# Altium PCB unisat_gs_board.PcbDoc (part 2 of 2)
Units mm, origin at the board's own origin, x right, y up, seen from the top; angles counter-clockwise.
Board outline 53 x 99.74 mm, 2 copper layers (Top Layer, Bottom), stack 0.98 mm thick; 108 components, 82 nets, 459 pads, 498 vias.
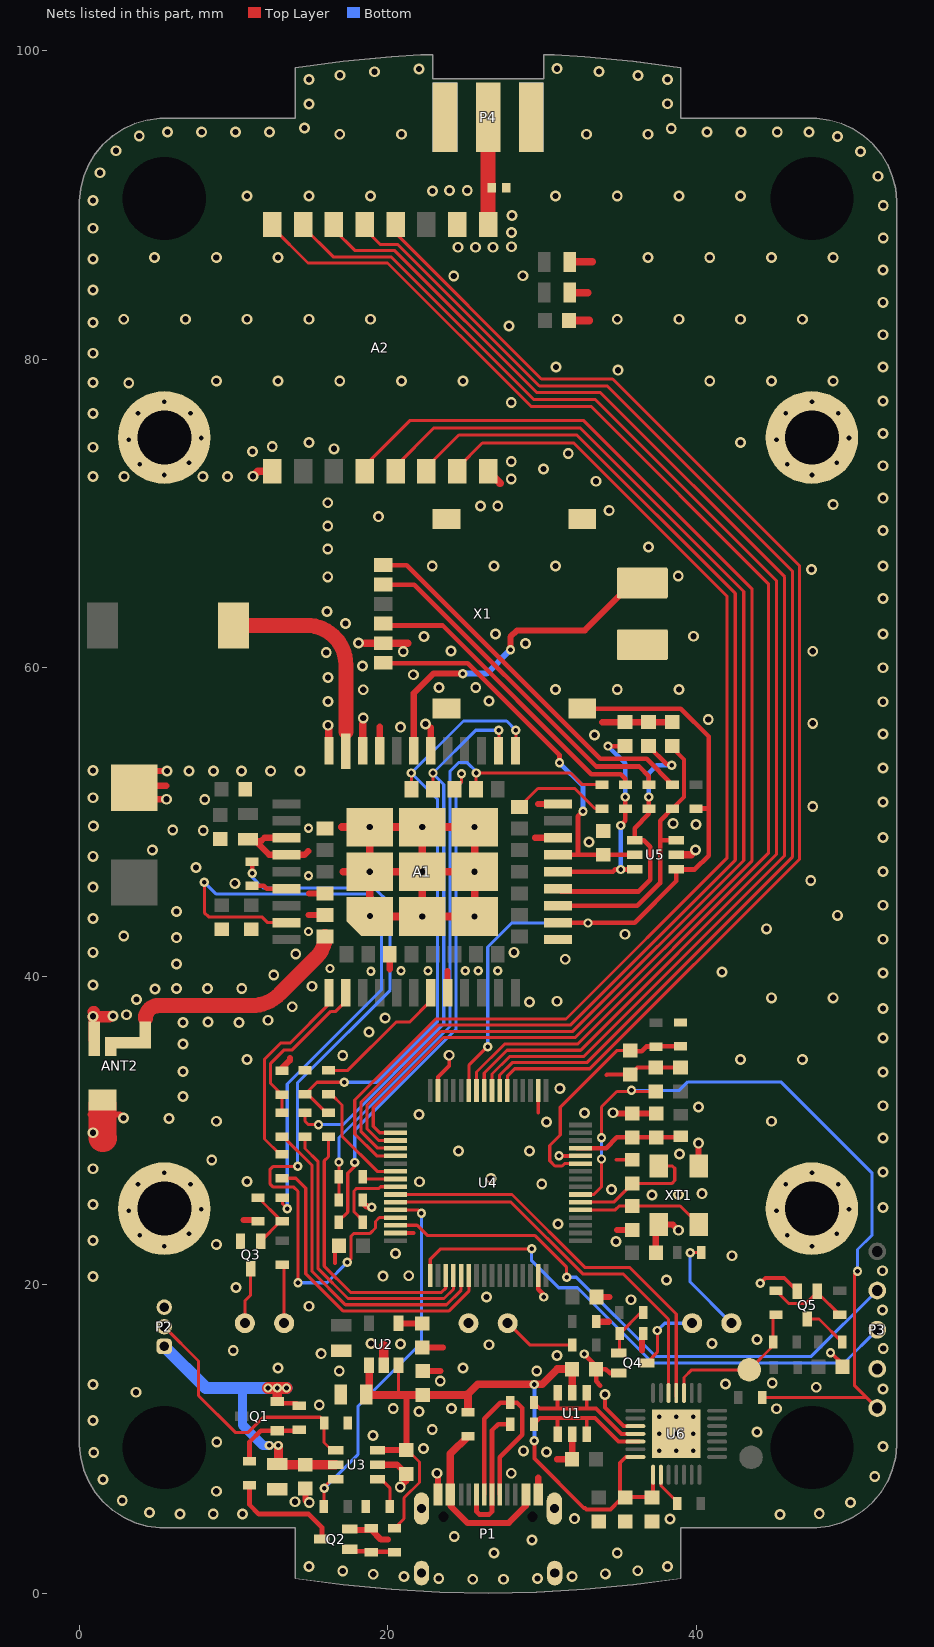
[diagram p2: the nets of this part, all layers, seen from the top]

## Via types
v1: diameter 0.705, hole 0.4, Top Layer to Bottom, tented both sides, 361 vias
v2: diameter 0.605, hole 0.3, Top Layer to Bottom, tented both sides, 119 vias
v3: diameter 0.705, hole 0.4, Top Layer to Bottom, 9 vias
v4: diameter 0.605, hole 0.3, Top Layer to Bottom, 9 vias

## Nets (pads, with @x,y where several pads share a name; then routed paths per layer and width w, separated by ;. In a path a pad name is that pad's centre, name@x,y a point inside that pad or via, vN(x,y) a via of type N, cw(c..) or ccw(c..) an arc to the next point about the centre after c; other vN are vias at no path point) (continued)
GND: A1.8 A1.13 A1.19 A1.21 A1.27 A1.30 A1.31 A1.33 A1.36 A1.37 A1.45 A1.63 A1.66 A1.67 A1.PAD A2.2 A2.9 A2.16 ANT2.2 BAT1.2 C1.2 C2.1 C3.1 C4.2 C5.2 C6.2 C7.1 C8.2 C9.2 C10.1 C11.1 C12.1 C13.2 C14.1 C15.1 C16.1 C17.1 C18.1 C19.1 C20.1 C21.1 C22.1 C23.1 C24.1 C25.2 C26.2 C27.2 C28.1 C29.1 C30.1 C31.1 C32.1 C33.1 C34.1 C35.1 C36.1 D3.1 D4.1 P1.A1 P1.A12 P1.SH1 P1.SH2 P1.SH3 P1.SH4 P2.3 P3.2 P4.1 pad.1@5.5,24.934 pad.1@5.5,74.934 pad.1@47.5,24.934 pad.1@47.5,74.934 Q2.2 Q3.2 Q4.2 Q5.2 R5.1 R6.1 R10.1 R16.1 R17.1 R18.1 R19.1 R25.1 R28.1 R32.1 U1.2 U2.2 U3.5 U4.12 U4.18 U4.31 U4.47 U4.63 U5.2 U6.3 U6.29 X1.C5 X1.S1 X1.S2 X1.S3 XT1.2 XT1.4 | length 147
  Top Layer w0.25: R25.1@13.125,33.875 R25.1@13.125,34.025 ; 16.575,21.4 16.575,22.275 C17.1@16.825,22.525 ; U4.47@20.75,23.35 21.65,23.35 ; U4.31@23.25,32.35 U4.31@23.25,32.6 23.25,33.46 23.975,34.185 v1(23.975,34.875) ; 23.4,14.4 23.425,14.375 ; 29.75,31.175 U4.18@29.75,32.35 ; v2(31.1,28.35) U4.12@32.5,28.35 ; v1(34.075,12.875) 34.075,12.036 35.286,10.825 U6.3@36.05,10.825 U6.3@36.3,10.825 ; 34.175,33.6 34.2,33.625 C21.1@35.725,33.625 36.175,34.075 C24.1@37.375,34.075 C15.1@38.975,34.075 ; 34.825,28.1 C22.1@35.85,28.1 ; v2(44.15,20.1) 44.475,20.425 45.7,20.425 Q5.2@46.55,19.575 ; v2(48.702,15.576) 48.749,15.576 49.475,14.85 C32.1@49.475,14.675
  Top Layer w0.3: U4.63@29.75,20.85 U4.63@29.75,20.6 29.75,19.705 30.1,19.355 v2(30.1,19.2) ; v2(32.725,15.5) 33.5,14.725 C1.2@33.5,14.525 ; 33.775,13.45 33.5,13.725 C1.2@33.5,14.525 ; Q4.2@34.975,14.275 34.375,14.275 34.125,14.525 C1.2@33.5,14.525
  Top Layer w0.4: 0.725,31.025 1.495,31.025 v1@2.625,31.025 ; 5.625,52.35 C8.2@3.675,52.35 ; v1(5.65,51.475) 4.3,51.475 C8.2@3.55,52.225 C8.2@3.675,52.35 ; v1(5.675,53.3) 4.625,53.3 C8.2@3.675,52.35 ; 10.65,24.2 R16.1@11.575,24.2 ; C9.2@10.925,48.775 C9.2@11.4,48.775 ; R25.1@13.125,34.025 13.65,34.55 13.65,34.7 ; A1.36@13.425,48.975 12,48.975 11.8,48.775 C9.2@11.4,48.775 ; C12.1@14.65,6.775 14.65,6.125 ccw(c14.9,6.125) v1(14.9,5.875) ; 14.838,48.1 14.825,48.1 14.6,47.875 A1.37@13.425,47.875 12.3,47.875 C9.2@11.4,48.775 ; 14.85,43.975 A1.67@15.925,43.975 ; 14.9,45.375 A1.66@15.925,45.375 ; Q2.2@17.525,4.15 17.575,4.1 R10.1@18.925,4.1 ; R28.1@18.425,25.55 ccw(c18.425,25.5) R28.1@18.375,25.5 ccw(c18.85,25.5) 18.85,25.025 v2(18.95,25.025) ; R10.1@18.925,4.2 R10.1@18.925,4.1 ; U3.5@19.325,8.325 20.6,8.325 C14.1@21.2,7.725 21.2,7.275 v1(20.8,6.875) ; A1.30@19.475,54.625 19.475,56.175 ; 20,3.475 19.55,3.475 R10.1@18.925,4.1 ; 20.125,40.45 A1.45@20.125,41.425 ; C7.1@22.225,15.925 23.575,15.925 ; C5.2@22.25,14.4 23.4,14.4 ; A1.27@22.775,54.625 22.775,56.125 ; v1(23.175,7.775) 23.25,7.7 P1.A1@23.25,6.395 ; A1.8@23.875,38.925 23.875,40.325 ; 29.55,48.975 A1.19@31.025,48.975 ; P1.A12@29.75,6.395 29.75,7.475 ; 29.75,51.175 A1.21@31.025,51.175 ; 30.975,8.675 C34.1@31.95,8.675 U1.2@31.95,10.3 ; R19.1@33.5,17.6 34.325,17.6 ; C16.1@33.525,19.2 34.35,19.2 ; 33.9,56.475 C30.1@35.375,56.475 C29.1@36.9,56.475 C28.1@38.45,56.475 ; v1(34.6,31.15) 34.65,31.1 C20.1@35.85,31.1 C19.1@37.4,31.1 ; 34.85,23.55 C23.1@35.85,23.55 ; 36.475,15.75 R17.1@36.475,16.825 ; C18.1@37.375,22.075 37.375,23.725 XT1.2@37.55,23.9 38.475,23.9 v1(38.85,23.525) ; XT1.4@40.15,27.7 v1(40.15,29.175)
  Top Layer w0.5: v1(11.25,72.425) 11.575,72.75 A2.9@12.5,72.75 ; v1(16.125,56.275) 16.175,56.225 A1.33@16.175,54.625 ; 17.025,49.675 v3(18.825,49.675) ; 17.1,46.775 v3(18.825,46.775) ; A1.31@18.375,54.625 18.375,56.35 ; 18.495,61.595 X1.C5@19.7,61.595 21.295,61.595 ; A2.16@26.5,72.75 27.275,71.975 ; C26.2@31.75,82.525 33.05,82.525 ; C27.2@31.9,84.325 32.95,84.325 ; C25.2@31.9,86.325 33.25,86.325 ; U5.2@38.7,47.875 39.675,47.875 ; v3(18.825,46.775) v3(22.225,46.775) ; v3(18.825,46.775) A1.PAD@18.825,44.34 A1.PAD@19.29,43.875 v3(22.225,43.875) ; v3(18.825,46.775) v3(18.825,49.675) ; v3(18.825,49.675) v3(22.225,49.675) ; v3(22.225,43.875) v3(22.225,46.775) ; v3(22.225,43.875) v3(25.625,43.875) A1.PAD@25.625,46.85 ; v3(22.225,46.775) v3(22.225,49.675) ; v3(22.225,46.775) 25.55,46.775 A1.PAD@25.625,46.85 ; v3(22.225,49.675) v3(25.625,49.675) A1.PAD@25.625,46.85
  Top Layer w0.6: U2.2@19.73,14.785 19.73,16.045
  Top Layer w0.75: v1@0.9,37.375 v1@0.965,37.375 ; v1@0.9,37.7 cw(c0.9,37.635) 0.965,37.635 v1@0.965,37.375 ; ANT2.2@0.965,35.875 v1@0.965,37.375 ; v1@1.95,37.375 v1@0.965,37.375
  Top Layer w1.8: ANT2.2@1.495,31.675 1.495,31.025 1.495,29.53 ccw(c1.525,29.53) 1.525,29.5
  other v1: 25.5,0.9 27.5,0.9 23.3,0.95 29.7,0.95 21.05,1.075 31.95,1.075 19.05,1.225 34.1,1.25 17.075,1.425 36.2,1.45 14.875,1.725 38.125,1.725 26.875,2.6 34.875,2.6 29.35,3.45 24.3,3.675 38.3,4.8 32.1,4.825 45.425,5.1 6.525,5.125 8.675,5.125 10.575,5.125 47.975,5.15 4.55,5.225 50,5.875 13.975,5.925 2.775,6 8.875,6.6 1.525,7.375 51.575,7.55 28,7.775 0.925,9.125 30.275,9.15 28.8,9.225 22.3,9.375 52.1,9.5 8.9,9.8 19.025,10.225 43.925,10.45 22.875,10.6 0.875,11.2 22.025,11.775 45.2,11.95 20.35,11.975 24.125,11.975 15.55,12.2 3.675,13.025 52.1,13.225 47.775,13.35 0.875,13.531 41.9,13.55 44.925,13.625 23.4,13.75 16.85,14.4 29.65,14.4 12.875,14.6 24.875,14.6 30.975,15.4 15.675,15.525 9.975,15.725 52.125,15.85 26.55,16.1 20.825,16.15 18.9,16.175 41.025,16.175 43.925,16.45 52.075,18.35 14.875,18.6 35.775,19.025 26.4,19.2 10.15,19.825 38.075,20.3 0.875,20.525 19.675,20.55 21.35,20.575 52.075,20.9 42.325,21.875 20.5,22.025 8.875,22.6 34.8,22.8 0.875,22.856 31.025,23.925 52.1,25 0.875,25.188 37.125,25.825 38.85,25.85 40.375,25.9 34.5,26.175 29.975,26.525 22.05,26.675 10.875,26.7 26.675,26.875 52.1,27.3 0.875,27.519 8.575,28.075 38.9,28.475 24.575,28.675 29.175,28.675 52.1,29.5 0.875,29.85 30.275,30.55 8.875,30.6 44.875,30.6 5.8,30.775 2.85,30.8 22.025,31.025 32.75,31.125 40.15,31.525 52.1,31.6 6.725,32.2 31.15,32.725 52.1,33.8 6.725,33.825 10.875,34.6 42.875,34.6 46.875,34.6 17.075,34.85 6.725,35.6 52.1,36 18.775,36.375 6.725,37 10.35,37 8.325,37.025 12.225,37.15 19.825,37.3 0.875,37.4 2.175,37.425 3.05,37.5 52.1,37.9 13.8,38.025 29.175,38.325 30.975,38.375 3.7,38.5 44.875,38.6 48.875,38.6 4.9,39.175 6.3,39.2 8.3,39.2 10.525,39.2 15.075,39.35 0.875,39.425 12.6,40.075 52.1,40.2 41.675,40.275 6.3,40.8 31.5,41.1 14.025,41.45 0.875,41.55 28.175,41.55 52.1,42.4 6.3,42.5 2.875,42.6 35.375,42.725 44.55,43.075 0.875,43.75 49.15,43.95 6.3,44.2 52.1,44.6 0.875,45.775 10.075,46.025 47.425,46.2 52.1,46.8 7.55,47.05 0.875,47.775 4.725,48.175 39.95,48.175 33.05,48.7 52.1,49 8.025,49.45 6.05,49.475 0.9,49.75 39.975,49.85 38.5,49.9 47.55,51 52.1,51.3 8.125,51.45 0.875,51.575 7.1,53.3 8.7,53.3 10.5,53.3 12.4,53.3 14.3,53.3 0.875,53.35 52.1,53.5 33.4,55.65 52.1,55.7 20.825,56.15 22.45,56.35 47.55,56.4 40.775,56.65 18.4,56.75 52.1,57.8 16.125,57.825 26.55,57.85 18.4,58.575 30.875,58.6 34.875,58.6 38.875,58.6 23.325,58.725 25.7,58.725 16.125,59.375 21.65,59.55 52.1,60 18.35,60.125 16,61 21,61.05 47.55,61.075 24.1,61.1 28.925,61.575 18.1,61.6 22.35,62.025 39.825,62.05 26.975,62.2 52.1,62.2 17.25,62.875 16.05,63.65 52.1,64.5 16.1,65.9 38.825,65.95 47.475,66.375 22.875,66.6 26.875,66.6 30.875,66.6 52.1,66.6 16.1,67.7 36.9,67.825 52.1,68.9 16.1,69.2 19.4,69.8 34.35,70.2 26,70.5 27.125,70.5 48.875,70.6 16.1,70.7 52.1,71 33.5,72.1 28,72.25 0.875,72.4 2.9,72.4 8,72.4 9.6,72.4 30.1,72.9 52.1,73.1 28,73.375 31.7,73.9 11.225,74.025 16.5,74.2 0.875,74.3 12.5,74.35 14.875,74.6 42.875,74.6 52.1,75.2 0.875,76.5 28,77.2 52.1,77.3 3.2,78.475 0.875,78.5 8.875,78.6 12.875,78.6 16.875,78.6 20.875,78.6 24.875,78.6 40.875,78.6 44.875,78.6 48.875,78.6 34.925,79.3 30.9,79.5 52.1,79.5 0.875,80.4 52.1,81.6 27.85,82.175 0.875,82.4 2.875,82.6 6.875,82.6 10.875,82.6 14.875,82.6 18.875,82.6 34.875,82.6 38.875,82.6 42.875,82.6 46.875,82.6 52.1,83.7 0.875,84.5 24.275,85.4 28.75,85.425 52.1,85.8 0.875,86.5 4.875,86.6 8.875,86.6 12.875,86.6 36.875,86.6 40.875,86.6 44.875,86.6 48.875,86.6 24.55,87.275 25.675,87.275 26.825,87.275 28.025,87.3 52.125,87.875 28.025,88.225 0.875,88.5 28.05,89.325 52.125,89.975 0.875,90.3 10.875,90.6 14.875,90.6 18.875,90.6 30.875,90.6 34.875,90.6 38.875,90.6 42.875,90.6 22.9,90.925 24,90.95 25.15,90.95 51.775,91.875 1.325,92.1 50.65,93.475 2.375,93.525 3.875,94.475 49.15,94.45 16.875,94.6 20.875,94.6 32.875,94.6 36.875,94.6 5.7,94.75 7.925,94.75 10.125,94.75 12.325,94.75 40.7,94.75 42.9,94.75 45.25,94.75 47.3,94.75 38.375,94.975 14.6,95 14.875,96.55 38.125,96.575 14.875,98.15 38.125,98.15 36.225,98.4 16.9,98.425 19.125,98.65 33.7,98.675 22.025,98.825 30.975,98.85
  other v2: 5.5,22.5 47.5,22.5 3.9,23.2 45.9,23.2 7.1,23.3 49.1,23.3 3.2,24.8 45.2,24.8 7.9,24.9 49.9,24.9 3.8,26.5 7.2,26.5 45.8,26.5 49.2,26.5 5.5,27.25 47.5,27.25 18.9,40.325 20.85,40.35 22.601,40.352 25.025,40.35 25.85,40.35 27.125,40.35 16.25,40.5 14.85,42.9 14.85,46.525 14.85,49.6 5.5,72.5 47.5,72.5 3.9,73.2 45.9,73.2 7.1,73.3 49.1,73.3 3.2,74.8 45.2,74.8 7.9,74.9 49.9,74.9 3.8,76.5 7.2,76.5 45.8,76.5 49.2,76.5 5.5,77.25 47.5,77.25
  other v3: 18.85,43.9 25.625,46.775
  other v4: 37.6,9.225 38.7,9.225 39.8,9.225 37.6,10.325 38.7,10.325 39.8,10.325 37.6,11.425 38.7,11.425 39.8,11.425
GPS_1PPS: A1.60 R29.2 | length 33.6
  Top Layer w0.2: R29.2@16.825,24.05 16.825,24.125 17.4,24.7 17.4,27.225 17.851,27.676 v2(17.851,27.926) ; A1.60@24.325,52.125 24.776,52.576 v2(24.776,53.128)
  Bottom w0.2: v2(17.851,27.926) 17.851,30.004 24.425,36.578 24.425,40.098 24.422,40.1 24.422,52.22 24.776,52.574 v2(24.776,53.128)
GPS_PEN: A1.59 R26.2 R27.1 R28.2 | length 42.6
  Top Layer w0.2: R28.2@16.825,25.5 R26.2@16.825,27 v2(16.825,27.95) ; A1.59@25.725,52.125 v2(25.725,53.175) 31.85,53.175 32.6,52.425 R27.1@33.875,52.425
  Bottom w0.2: v2(16.825,27.95) 16.825,29.544 24.025,36.744 24.025,39.932 24.022,39.935 24.022,52.386 24.025,52.388 24.025,53.3 24.575,53.85 25.15,53.85 25.725,53.275 v2(25.725,53.175)
GPS_RXD: A1.22 A1.62 R31.2 R32.2 | length 40.2
  Top Layer w0.2: R31.2@16.15,31.15 16,31.15 14.8,32.35 R32.2@14.625,32.35 15.4,33.125 v2(17.175,33.125) ; A1.62@21.525,52.125 v2(21.525,53.175) ; A1.22@28.275,54.625 28.3,54.65 v2(28.3,55.95)
  Bottom w0.2: v2(17.175,33.125) 19.275,33.125 23.225,37.075 23.225,39.601 23.223,39.603 23.223,51.477 v2(21.525,53.175) 24.903,56.553 27.697,56.553 v2(28.3,55.95)
GPS_TXD: A1.23 A1.61 R30.2 | length 36.7
  Top Layer w0.2: R30.2@14.625,31.15 14.625,30.601 14.85,30.376 v2(15.501,30.376) ; A1.61@22.925,52.125 v2(22.925,53.176) ; A1.23@27.175,54.625 27.2,54.65 v2(27.2,55.95)
  Bottom w0.2: v2(15.501,30.376) 17.092,30.376 23.625,36.909 23.625,39.767 23.623,39.769 23.623,52.427 22.925,53.125 v2(22.925,53.176) 25.699,55.95 v2(27.2,55.95)
GSM_NTL: A1.41 R14.2 | length 42.7
  Top Layer w0.2: v2(8.1,46.1) 8.1,44.125 8.375,43.85 11.828,43.85 12.203,43.475 A1.41@13.425,43.475 ; R14.2@13.15,25.65 13.163,25.637 13.163,25.238 v2(13.475,24.925)
  Bottom w0.2: v2(8.1,46.1) 8.875,45.325 18.8,45.325 19.575,44.55 19.575,39.108 13.475,33.008 v2(13.475,24.925)
GSM_RI: A1.7 R21.2 | length 9.3
  Top Layer w0.2: R21.2@15.875,33.9 R21.2@16.15,33.9 17.398,33.9 20.523,37.025 21.399,37.025 22.775,38.401 A1.7@22.775,38.925
GSM_RXD: A1.2 R23.2 R25.2 | length 10.6
  Top Layer w0.2: R23.2@13.125,31.15 R25.2@13.125,32.325 12.55,32.9 12.4,33.05 12.4,34.35 13.275,35.225 13.8,35.225 16.3,37.725 16.625,37.725 17.275,38.375 A1.2@17.275,38.925
GSM_TXD: A1.1 R22.2 | length 13.1
  Top Layer w0.2: R22.2@13.125,28.45 13,28.45 12,29.45 12,34.625 13.05,35.675 13.675,35.675 16.175,38.175 A1.1@16.175,38.925
NetA1_32: A1.32 ANT1.1 | length 13.1
  Top Layer w0.98: ANT1.1@10,62.75 14.735,62.75 cw(c14.735,60.21) 17.275,60.21 17.275,55.85
NetA1_57: A1.57 R27.2 | length 6.4
  Top Layer w0.2: A1.57@28.525,50.975 29.725,52.175 32.125,52.175 33.425,50.875 R27.2@33.875,50.875
NetA1_68: A1.68 ANT2.1 | length 14.3
  Top Layer w0.98: 4.275,37.25 cw(c5.125,37.25) 5.125,38.1 11.173,38.1 ccw(c11.173,40.64) 12.969,38.844 15.377,41.252 ccw(c14.054,42.575) A1.68@15.925,42.575
NetA2_1: A2.1 D4.2 P4.2 | length 7.3
  Top Layer w0.98: A2.1@26.5,88.75 P4.2@26.5,95.7 26.5,95.975 P4.2@26.525,96
NetC7_2: C7.2 U2.4 | length 1.5
  Top Layer w0.4: U2.4@20.69,17.475 C7.2@22.225,17.475
NetC22_2: C22.2 U4.6 XT1.1 | length 8.8
  Top Layer w0.2: U4.6@32.25,25.35 U4.6@32.5,25.35 34.65,25.35 C22.2@35.85,26.55 38.4,26.55 38.6,26.75 38.6,27.55 38.45,27.7 XT1.1@37.55,27.7
NetC23_2: C23.2 U4.5 XT1.3 | length 8.5
  Top Layer w0.2: U4.5@32.25,24.85 U4.5@32.5,24.85 34.75,24.85 35,25.1 C23.2@35.85,25.1 38.95,25.1 XT1.3@40.15,23.9
NetD1_1: D1.1 Q3.3 | length 4.2
  Top Layer w0.2: D1.1@10.73,17 D1.1@10.73,17.5 10.73,18.955 11.1,19.325 Q3.3@11.1,21.025
NetD1_2: D1.2 R11.1 | length 4.3
  Top Layer w0.2: R11.1@13.15,21.3 13.27,21.18 D1.2@13.27,17.5 D1.2@13.27,17
NetD2_1: D2.1 Q4.3 | length 4.8
  Top Layer w0.2: Q4.3@36.775,14.925 37.475,15.625 v2(37.475,17.025)
  Bottom w0.2: v2(37.475,17.025) 37.95,17.5 D2.1@39.73,17.5
NetD2_2: D2.2 R12.1 | length 6.4
  Top Layer w0.2: v2(39.6,22.075) R12.1@40.325,22.075
  Bottom w0.2: v2(39.6,22.075) 39.6,20.17 D2.2@42.27,17.5
NetD3_2: D3.2 R20.2 | length 4.8
  Top Layer w0.2: D3.2@27.77,17.5 27.8,17.5 29.2,16.1 R20.2@31.95,16.1
NetQ1_1: Q1.1 R7.1 R8.2 | length 4.8
  Top Layer w0.3: R8.2@11.025,8.55 11.025,9.8 11.75,10.525 Q1.1@12.825,10.525 14.175,10.525 R7.1@14.25,10.6
NetQ2_1: Q2.1 R9.1 R10.2 | length 2.9
  Top Layer w0.3: Q2.1@17.525,2.85 17.65,2.725 18.875,2.725 18.925,2.675 R9.1@20.375,2.675
NetQ2_3: Q2.3 R8.1 | length 7.4
  Top Layer w0.3: R8.1@11.025,7 11.025,5.725 11.625,5.125 14.875,5.125 15.725,4.275 Q2.3@15.725,3.5
NetQ3_1: Q3.1 R14.1 R16.2 | length 4
  Top Layer w0.2: R16.2@11.575,25.65 13.025,24.2 13.025,24.1 Q3.1@11.75,22.825
NetQ4_1: Q4.1 R15.1 R17.2 | length 3.4
  Top Layer w0.2: Q4.1@34.975,15.575 35.025,15.625 R17.2@35.025,16.825 36.4,18.2 R15.1@36.55,18.2
NetQ5_1: Q5.1 R39.1 R40.2 | length 5.5
  Top Layer w0.2: R40.2@45.166,19.597 45.988,18.775 47.1,18.775 Q5.1@47.85,19.525 ; Q5.1@47.85,19.575 Q5.1@47.85,19.525 ; R39.1@49.3,18.047 47.85,19.497 Q5.1@47.85,19.525
NetQ5_3: Q5.3 R38.2 | length 2.9
  Top Layer w0.2: Q5.3@47.2,17.775 47.959,17.775 R38.2@49.459,16.275
NetR1_2: R1.2 U1.1 U1.3 U6.5 | length 9.7
  Top Layer w0.25: R1.2@29.475,10.95 29.875,11.35 31.025,11.35 ; U1.1@31,10.3 31,11.325 31.025,11.35 ; U1.3@32.9,10.3 32.9,11.35 ; U6.5@36.3,9.825 U6.5@36.05,9.825 34.95,9.825 33.425,11.35 32.9,11.35 ; 31.025,11.35 32.9,11.35
NetR2_2: R2.2 U1.4 U1.6 U6.4 | length 9.8
  Top Layer w0.25: R2.2@29.475,12.35 29.85,11.975 31.075,11.975 ; U1.6@31,13 31,12.05 31.075,11.975 ; U1.4@32.9,13 32.9,12 32.925,11.975 ; U6.4@36.3,10.325 U6.4@36.05,10.325 35.15,10.325 33.5,11.975 32.925,11.975 ; 31.075,11.975 32.925,11.975
NetR3_1: R3.1 U4.45 | length 50.4
  Top Layer w0.2: v2(14.15,27.675) 12.575,27.675 12.35,27.45 12.35,26.551 12.576,26.325 13.9,26.325 14.175,26.05 v2(14.175,20.125) ; v2(17.375,21.45) 17.6,21.675 17.6,23.125 17.8,23.325 18.85,23.325 19.2,23.675 19.2,24.1 19.45,24.35 U4.45@20.5,24.35 U4.45@20.75,24.35
  Top Layer w0.3: v2@11.2,46.653 R3.1@11.2,47.425 ; v2@11.201,46.653 v2(11.201,46.677)
  Bottom w0.2: v2(11.201,46.677) 11.201,46.424 11.9,45.725 19.125,45.725 20.15,44.7 20.15,39.1 17.428,36.378 17.413,36.378 14.15,33.115 v2(14.15,27.675) ; v2(14.175,20.125) 16.05,20.125 v2(17.375,21.45)
NetR4_1: R4.1 U3.3 U4.44 | length 24.2
  Top Layer w0.2: R4.1@15.85,5.625 15.85,6.85 16.375,7.375 U3.3@16.625,7.375 ; U4.44@20.75,24.85 21.95,24.85 v2(22.175,24.625)
  Bottom w0.2: v2(15.875,6.8) 18.05,8.975 18.05,12.1 22.175,16.225 v2(22.175,24.625)
NetR6_2: R6.2 U3.4 | length 2.2
  Top Layer w0.2: U3.4@19.325,7.375 19.575,7.375 20.125,6.825 R6.2@20.125,5.625
NetR21_1: R21.1 U4.39 | length 7.9
  Top Layer w0.2: R21.1@16.15,32.35 16.325,32.35 17.025,31.65 17.025,29.634 19.309,27.35 U4.39@20.5,27.35 U4.39@20.75,27.35
NetR22_1: R22.1 U4.54 | length 20.7
  Top Layer w0.2: R22.1@13.125,26.9 14.025,26.9 14.675,26.25 14.675,20.703 17.078,18.3 23.971,18.3 25.25,19.579 U4.54@25.25,20.6 U4.54@25.25,20.85
NetR23_1: R23.1 U4.53 | length 21.8
  Top Layer w0.2: R23.1@13.125,29.6 13.225,29.6 15.075,27.75 15.075,20.869 17.244,18.7 23.806,18.7 24.75,19.644 U4.53@24.75,20.6 U4.53@24.75,20.85
NetR26_1: R26.1 U4.40 | length 2.3
  Top Layer w0.2: R26.1@18.475,26.85 U4.40@20.5,26.85 U4.40@20.75,26.85
NetR29_1: R29.1 U4.41 | length 5.3
  Top Layer w0.2: R29.1@18.375,24.05 18.375,24.15 17.8,24.725 17.8,26.075 17.974,26.249 19.424,26.249 19.525,26.35 U4.41@20.5,26.35 U4.41@20.75,26.35
NetR30_1: R30.1 U4.52 | length 19.9
  Top Layer w0.2: R30.1@14.625,29.6 14.625,28.825 15.475,27.975 15.475,21.034 17.409,19.1 23.64,19.1 24.25,19.71 U4.52@24.25,20.6 U4.52@24.25,20.85
NetR31_1: R31.1 U4.51 | length 18.3
  Top Layer w0.2: R31.1@16.15,29.6 16.15,28.3 15.875,28.025 15.875,21.2 17.575,19.5 23.474,19.5 23.75,19.776 U4.51@23.75,20.6 U4.51@23.75,20.85
NetR33_2: R33.2 X1.C2 | length 20.3
  Top Layer w0.3: X1.C2@19.7,62.84 19.7,62.745 23.548,62.745 33.193,53.1 35.1,53.1 35.4,52.8 R33.2@35.4,52.425
NetR34_2: R34.2 X1.C3 | length 22.9
  Top Layer w0.3: X1.C3@19.7,65.38 21.72,65.38 33.5,53.6 36.3,53.6 36.925,52.975 R34.2@36.925,52.425
NetR35_2: R35.2 X1.C7 | length 24.6
  Top Layer w0.3: X1.C7@19.7,66.65 21.222,66.65 33.772,54.1 36.775,54.1 R35.2@38.45,52.425
NetR41_2: R41.2 U6.9 | length 2.6
  Top Layer w0.2: U6.9@37.7,7.675 37.7,6.974 38.75,5.924 R41.2@38.75,5.8
  Top Layer w0.25: U6.9@37.7,7.675 U6.9@37.7,7.925
PWRK: A1.39 R3.2 | length 2.5
  Top Layer w0.3: R3.2@10.95,45.875 R3.2@11.075,45.75 ; R3.2@11.2,45.875 11.95,45.875 12.15,45.675 A1.39@13.425,45.675
RESET: C24.2 P3.1 R36.1 U4.7 | length 52
  Top Layer w0.2: U4.7@32.5,25.85 33.35,25.85 33.85,26.35 v2(33.85,28.15) ; v2(33.852,29.526) 33.852,31.527 34.85,32.525 C24.2@37.375,32.525 ; R36.1@44.275,12.675 51.055,12.675 ; v2(50.45,20.875) 50.25,20.675 50.25,13.48 51.055,12.675 ; P3.1@51.73,12 51.055,12.675
  Bottom w0.2: v2(33.85,28.15) v2@33.85,29.525 ; v2(35.8,32.6) 38.9,32.6 39.45,33.15 45.475,33.15 51.4,27.225 51.4,23.225 50.45,22.275 v2(50.45,20.875)
RTS: R40.1 R42.1 TP2.0 U6.24 | length 9.8
  Top Layer w0.2: U6.24@39.2,12.975 39.2,13.975 39.7,14.475 TP2.0@43.425,14.475 43.5,14.475 43.5,14.55 44.975,16.025 R42.1@44.975,16.275 44.975,17.856 R40.1@45.166,18.047
SIM_CLK: A1.16 C29.2 R34.1 U5.4 | length 18.2
  Top Layer w0.3: A1.16@31.025,45.675 31.202,45.497 36.26,45.497 37.025,46.263 37.025,48.4 36.6,48.825 U5.4@36,48.825 36,49.6 36.925,50.525 R34.1@36.925,50.875 v2(36.925,51.625) ; C29.2@36.9,54.925 38.075,53.75 38.325,53.75 v2(38.4,53.675)
  Bottom w0.3: v2(36.925,51.625) 36.925,53.175 37.425,53.675 v2(38.4,53.675)
SIM_DAT: A1.15 C28.2 R35.1 U5.3 | length 18.1
  Top Layer w0.25: R35.1@38.45,50.875 39.2,51.625 39.2,54.05 38.45,54.8 C28.2@38.45,54.925
  Top Layer w0.3: A1.15@31.025,44.575 36.175,44.575 37.625,46.025 37.65,46.025 37.65,48.85 ; R35.1@38.45,50.875 37.65,50.075 37.65,48.85 ; U5.3@38.7,48.825 37.675,48.825 37.65,48.85
SIM_DET: A1.14 R24.1 U4.27 U5.1 X1.SW | length 46.7
  Top Layer w0.2: U4.27@25.25,32.35 25.25,34.225 26.45,35.425 v2(26.475,35.425)
  Top Layer w0.3: A1.14@31.025,43.475 36,43.475 38.7,46.175 U5.1@38.7,46.925 39.9,46.925 40.8,47.825 40.8,50.925 ; X1.SW@32.6,57.35 38.995,57.35 40.8,55.545 40.8,50.925 ; R24.1@39.975,50.875 40.75,50.875 40.8,50.925
  Bottom w0.2: v2(26.475,35.425) 26.475,41.9 28.025,43.45 v2(32.975,43.45)
SIM_RST: A1.17 C30.2 R33.1 U5.6 | length 14.7
  Top Layer w0.3: A1.17@31.025,46.775 34.6,46.775 34.75,46.925 v2(35.1,46.925) U5.6@36,46.925 ; v2(34.275,54.925) C30.2@35.375,54.925 ; v2(35.1,49.775) 35.4,50.075 R33.1@35.4,50.875 v2(35.4,51.625)
  Bottom w0.3: v2(34.275,54.925) 35.4,53.8 v2(35.4,51.625) ; v2(35.1,46.925) v2(35.1,49.775)
SIM_VDD: A1.18 C31.2 U5.5 X1.C1 | length 27.2
  Top Layer w0.3: X1.C1@19.7,60.3 25.175,60.3 31.125,54.35 v2(31.125,53.85) ; A1.18@31.025,47.875 32.325,47.875 ; v2(32.65,50.7) 32.325,50.375 32.325,47.875 ; C31.2@33.9,47.875 C31.2@33.975,47.875 ; 34.975,47.875 C31.2@33.975,47.875 ; U5.5@36,47.875 C31.2@33.975,47.875 ; 32.325,47.875 C31.2@33.975,47.875
  Bottom w0.3: v2(31.125,53.85) 32.65,52.325 v2(32.65,50.7)
SWCLK: P3.3 U4.49 | length 34.5
  Top Layer w0.2: U4.49@22.75,20.85 22.75,21.65 23.425,22.325 v2(29.325,22.325)
  Bottom w0.2: v2(29.325,22.325) 29.325,21.55 31.075,19.8 32.3,19.8 37.175,14.925 49.575,14.925 P3.3@51.73,17.08
SWDIO: P3.4 U4.46 | length 36.6
  Top Layer w0.2: U4.46@20.75,23.85 21.9,23.85 22.55,23.2 29.519,23.2 31.594,21.125 v2(31.594,20.481)
  Bottom w0.2: v2(31.594,20.481) 32.219,20.481 37.35,15.35 47.46,15.35 P3.4@51.73,19.62
SX_DIO0: A2.5 U4.23 | length 81.8
  Top Layer w0.2: A2.5@18.5,88.75 18.5,88.45 19.5,87.45 20.65,87.45 29.825,78.275 34.225,78.275 46.225,66.275 46.225,47.725 32.9,34.4 28.059,34.4 27.25,33.591 U4.23@27.25,32.6 U4.23@27.25,32.35
SX_DIO1: A2.6 U4.24 | length 83.1
  Top Layer w0.2: A2.6@16.5,88.75 16.5,88.425 17.875,87.05 20.45,87.05 29.65,77.85 33.775,77.85 45.725,65.9 45.725,47.825 32.7,34.8 27.894,34.8 26.75,33.656 U4.24@26.75,32.6 U4.24@26.75,32.35
SX_DIO2: A2.7 U4.25 | length 84.3
  Top Layer w0.2: A2.7@14.5,88.75 14.5,88.6 16.45,86.65 20.2,86.65 29.45,77.4 33.45,77.4 45.2,65.65 45.2,47.9 32.5,35.2 27.728,35.2 26.25,33.722 U4.25@26.25,32.6 U4.25@26.25,32.35
SX_DIO3: A2.8 U4.26 | length 85.6
  Top Layer w0.2: A2.8@12.5,88.75 12.5,88.575 14.825,86.25 19.975,86.25 29.275,76.95 33.175,76.95 44.675,65.45 44.675,47.975 32.3,35.6 27.562,35.6 25.75,33.788 U4.26@25.75,32.6 U4.26@25.75,32.35
SX_MISO: A2.13 U4.35 | length 80.7
  Top Layer w0.2: A2.13@20.5,72.75 20.5,73.075 22.975,75.55 32.475,75.55 43.075,64.95 43.075,47.506 31.994,36.425 26.893,36.425 26.89,36.427 23.434,36.427 18.65,31.644 18.65,30.106 19.406,29.35 U4.35@20.5,29.35 U4.35@20.75,29.35
SX_MOSI: A2.14 U4.36 | length 78.3
  Top Layer w0.2: U4.36@20.75,28.85 U4.36@20.5,28.85 19.341,28.85 18.25,29.941 18.25,31.809 23.268,36.827 27.056,36.827 27.058,36.825 31.825,36.825 42.525,47.525 42.525,64.825 32.25,75.1 24.6,75.1 22.5,73 A2.14@22.5,72.75
SX_NRST: A2.4 U4.22 | length 80.7
  Top Layer w0.2: A2.4@20.5,88.75 20.5,88.175 29.95,78.725 34.575,78.725 46.7,66.6 46.7,47.6 33.1,34 28.225,34 27.75,33.525 U4.22@27.75,32.6 U4.22@27.75,32.35
SX_NSS: A2.15 U4.37 | length 75.8
  Top Layer w0.2: U4.37@20.75,28.35 U4.37@20.5,28.35 19.275,28.35 17.85,29.775 17.85,31.975 23.102,37.227 27.222,37.227 27.224,37.225 31.55,37.225 42,47.675 42,64.625 32.05,74.575 26.125,74.575 24.5,72.95 A2.15@24.5,72.75
SX_SCK: A2.12 U4.34 | length 83.1
  Top Layer w0.2: A2.12@18.5,72.75 18.5,73.1 21.45,76.05 32.675,76.05 43.6,65.125 43.6,47.466 32.159,36.025 26.727,36.025 26.725,36.027 23.6,36.027 19.05,31.478 19.05,30.272 19.472,29.85 U4.34@20.5,29.85 U4.34@20.75,29.85
TEMP_SENSOR: P2.2 R5.2 U3.1 | length 17.4
  Top Layer w0.2: P2.2@5.5,17.27 5.508,17.27 7.725,15.053 7.725,12.8 10.1,10.425 10.95,10.425 11.925,11.4 15.634,11.4 15.859,11.175 R5.2@15.859,11.025 15.859,9.766 16.25,9.375 16.525,9.375 U3.1@16.625,9.275
URX_MTX: U4.42 U6.25 | length 26.5
  Top Layer w0.2: U4.42@20.75,25.85 28.05,25.85 32.8,21.1 35.7,21.1 38.7,18.1 U6.25@38.7,12.975 U6.25@38.7,12.725
USB_DM: P1.A7 P1.B7 R1.1 | length 8.9
  Top Layer w0.3: P1.B7@25.75,6.395 25.75,5.275 25.925,5.1 26.575,5.1 26.75,5.275 P1.A7@26.75,6.395 26.75,10.55 27.15,10.95 R1.1@27.925,10.95
USB_DP: P1.A6 P1.B6 R2.1 | length 14.2
  Top Layer w0.3: P1.A6@26.25,6.395 26.25,11.3 27.3,12.35 R2.1@27.925,12.35 28.375,12.35 28.725,12 28.725,10.275 27.25,8.8 P1.B6@27.25,6.395
USB_VIN: F1.1 P1.A4 P1.A9 | length 11.6
  Top Layer w0.4: P1.A4@24.05,6.395 24.05,5.654 25.154,4.55 27.846,4.55 28.95,5.654 P1.A9@28.95,6.395
  Top Layer w0.5: P1.A4@24.05,6.395 24.05,9.025 F1.1@25.2,10.175
UTX_MRX: U4.43 U6.26 | length 25.6
  Top Layer w0.2: U4.43@20.75,25.35 27.984,25.35 32.634,20.7 35.25,20.7 38.2,17.75 U6.26@38.2,12.975 U6.26@38.2,12.725
VBAT: C12.2 C13.1 P2.1 Q1.2 R7.2 U3.2 | length 22.3
  Top Layer w0.3: Q1.2@12.825,12.425 12.95,12.3 14.1,12.3 R7.2@14.25,12.15
  Top Layer w0.4: C13.1@12.825,8.475 C13.1@12.975,8.325
  Top Layer w0.6: C13.1@12.825,8.475 12.9,8.55 v2(12.9,9.575) ; Q1.2@12.825,12.425 v2(12.825,13.3) ; C13.1@12.975,8.325 U3.2@16.625,8.325
  Top Layer w0.8: v2(12.225,13.3) v2(12.825,13.3) v2(13.425,13.3)
  Bottom w0.6: 10.575,13.3 10.575,10.9 11.9,9.575 v2(12.3,9.575)
  Bottom w0.8: P2.1@5.5,16 8.2,13.3 10.575,13.3 v2(12.225,13.3) v2(12.825,13.3) v2(13.425,13.3)
VBAT_ADC: C21.2 R13.1 R18.2 U4.11 | length 15.4
  Top Layer w0.2: U4.11@32.5,27.85 31.452,27.85 31.301,27.699 30.826,27.699 30.497,28.028 30.497,29.022 31.175,29.7 31.175,31.509 34.841,35.175 C21.2@35.725,35.175
  Top Layer w0.3: C21.2@35.725,35.175 35.775,35.125 36.45,35.125 36.766,35.441 R13.1@37.375,35.441 ; R13.1@37.375,35.45 R18.2@38.975,35.45
VDDA: C19.2 C20.2 FB1.2 U4.13 | length 7
  Top Layer w0.3: U4.13@32.25,28.85 U4.13@32.5,28.85 34.15,28.85 34.85,29.55 C20.2@35.85,29.55 C19.2@37.4,29.55 38.905,29.55 FB1.2@38.975,29.62
VIN: C1.1 C4.1 C5.1 C14.2 C35.2 C36.2 F1.2 R9.2 U1.5 U2.1 U2.3 U3.6 U6.7 U6.8 | length 52
  Top Layer w0.2: R9.2@20.425,4.2 21.05,4.825 21.05,6.175 22.05,7.175 22.05,8.5 21.275,9.275 C14.2@21.2,9.275 ; 20.675,12.85 20.68,12.855 U2.3@20.68,14.785
  Top Layer w0.25: v2(29.5,9.875) 29.5,8.725 32.7,5.525 32.79,5.525 32.89,5.425 34.425,5.425 35.05,6.05 C35.2@35.05,6.125 ; U6.7@36.3,8.825 U6.7@36.05,8.825 35.425,8.825 35.05,8.45 35.05,6.225 37.2,6.225 U6.8@37.2,7.925
  Top Layer w0.4: U3.6@19.325,9.275 C14.2@21.2,9.275 21.2,12.775 21.125,12.85
  Top Layer w0.5: U2.1@18.78,14.785 18.8,14.765 18.8,13.1 18.55,12.85 20.675,12.85 21.125,12.85 25.125,12.85 25.2,12.925 ; F1.2@25.2,11.725 25.2,12.925 ; U1.5@31.95,13 C1.1@31.95,14.525 30.975,14.525 30,13.55 25.825,13.55 25.2,12.925
  Bottom w0.25: v2(29.5,9.875) v2(29.5,13.525)
VRTC: A1.28 BAT1.1 | length 22
  Top Layer w0.4: A1.28@21.675,54.625 21.675,58.35 22.95,59.625 v2(24.85,59.625) ; v2(27.95,61.175) 27.95,62 28.375,62.425 32.775,62.425 35.85,65.5 BAT1.1@36.5,65.5
  Bottom w0.4: v2(24.85,59.625) 26.4,59.625 v2(27.95,61.175)
pads on no net: A1.3 A1.4 A1.5 A1.6 A1.9 A1.10 A1.11 A1.12 A1.20 A1.24 A1.25 A1.26 A1.29 A1.38 A1.42 A1.43 A1.44 A1.46 A1.47 A1.48 A1.49 A1.50 A1.51 A1.52 A1.53 A1.54 A1.55 A1.56 A1.58 A1.64 A1.65 A2.10 A2.11 ANT1.2 P1.0 P1.A5 P1.A8 P1.B5 P1.B8 U4.2 U4.3 U4.4 U4.8 U4.9 U4.10 U4.14 U4.15 U4.16 U4.17 U4.20 U4.21 U4.28 U4.29 U4.30 U4.33 U4.38 U4.50 U4.55 U4.56 U4.57 U4.58 U4.62 U6.1 U6.2 U6.10 U6.11 U6.12 U6.13 U6.14 U6.15 U6.16 U6.17 U6.18 U6.19 U6.20 U6.21 U6.22 U6.23 U6.27 X1.C6
copper on no net:
  other v1: 40,54.65 39.55,55.775

## Polygon pours and split planes (outlines as drawn)
GND on Top Layer "GND_L01_P000" (solid, remove dead copper, pour order 0): 0,9.5 0,31.225 6.3,31.225 6.3,37 0,37 0,53.715 15.65,53.715 15.65,71.975 0.08,71.975 0.001,90.174 cw(c5.435,90.198) 5.2,95.627 14,95.627 14,99.991 39,99.991 39,95.627 47.8,95.627 52.401,94.896 53,90.266 52.919,49.3 53,9.602 cw(c47.419,9.813) 47.8,4.241 39,4.241 39,0 ccw(c23.858,-1114.57) 14,0.059 ccw(c-724.146,2.129) 14,4.2 ccw(c9.6,-1565.576) 5.24,4.2 cw(c5.3,9.5)
GND on Bottom "GND_L02_P004" (solid, pour order 4): 0,0 0,31.225 6.275,31.225 6.275,37.025 -0.057,37.025 0.071,53.758 15.65,53.741 15.65,71.975 0.08,71.975 0,99.868 53,99.868 53,0

## Other copper
Top Layer:
  text "'.hwver'" at 51.125,51.125 h1.2 r90

## Silkscreen, mask and mechanical layers (free items; w line width, h text height)
Top:
  drawing of 94 lines, arcs and shapes, not listed
  text "JLCJLCJLCJLC" at 13.775,79.975 h1
  text "NANOSIM" at 31.51,73.386 h0.7
  text "GS" at 48.875,48.2 h2.6 r90
  text "G" at 2.2,18.275 h0.8
  text "T" at 2.2,16.937 h0.8
  text "V" at 2.2,15.6 h0.8
Outline:
  lines w0.2: 30.788,99.738 30.1,99.738 30.1,98.2 22.9,98.2 22.9,99.738 22.125,99.738 20.232,99.631 17.109,99.335 14,98.922 14,95.627 5.2,95.627 4.387,95.522 3.598,95.296 2.852,94.956 2.164,94.509 1.551,93.964 1.025,93.335 0.599,92.634 0.282,91.877 0.081,91.082 0,90.266 0,9.602 0.081,8.786 0.282,7.991 0.599,7.234 1.025,6.533 1.551,5.904 2.164,5.359 2.852,4.912 3.598,4.572 4.387,4.346 5.2,4.241 14,4.241 14,0.946 17.109,0.533 20.232,0.237 23.364,0.059 26.5,0 29.636,0.059 32.768,0.237 35.891,0.533 39,0.946 39,4.241 47.8,4.241 48.613,4.346 49.402,4.572 50.148,4.912 50.836,5.359 51.449,5.904 51.975,6.533 52.401,7.234 52.718,7.991 52.919,8.786 53,9.602 53,90.266 52.919,91.082 52.718,91.877 52.401,92.634 51.975,93.335 51.449,93.964 50.836,94.509 50.148,94.956 49.402,95.296 48.613,95.522 47.8,95.627 39,95.627 39,98.922 35.891,99.335 32.768,99.631 30.789,99.743
TopAssem:
  lines w0.5: 7,13 46,13 46,87 7,87 7,13
Mechanical 29:
  the board outline again, w0.2